# KiCad board AMC_FMC_Carrier-PcbDoc.kicad_pcb (continued)
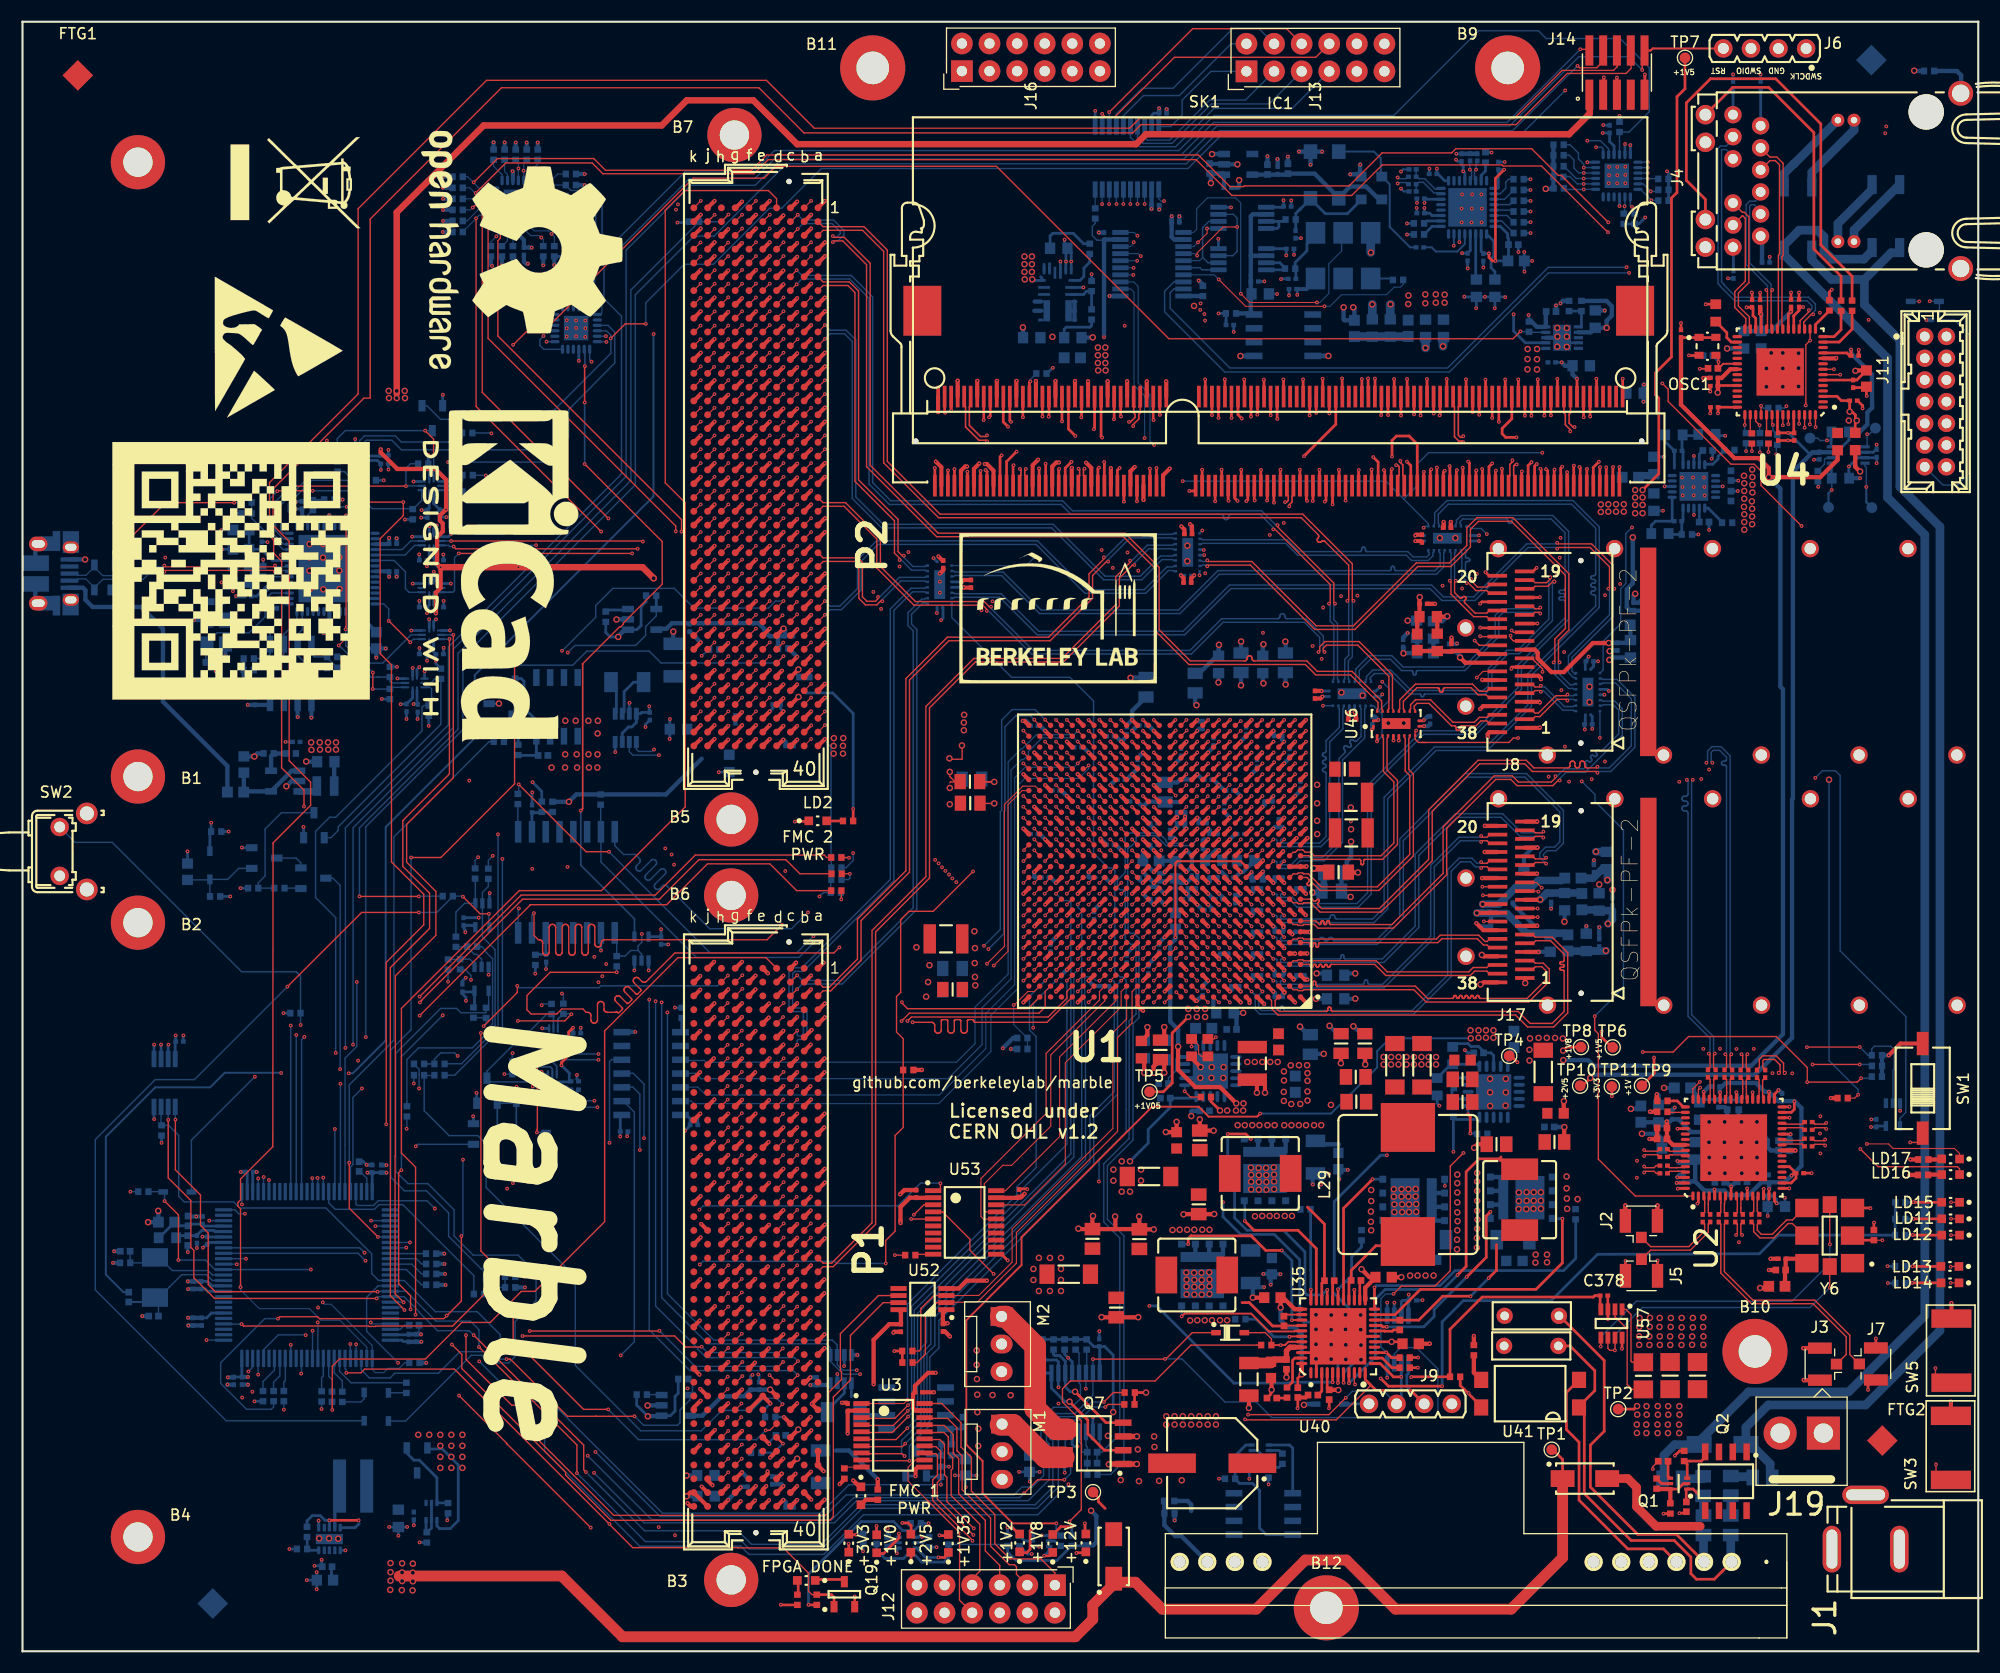
[diagram p0: board, top side]
## Routing (per net, layer and track width the routed paths; a pad name or vN(x,y) marks a point on that pad's centre or on a via; arc(x,y) is an arc through that point) (continued)
/SDRAM/DDR3_BA0: length 39.1
  Top w0.254: v1(118.74,105.88) 118.77,105.91 SK1.109 ; U1.AF10 v1(109.12,85.73)
  In4.Cu w0.135: v1(109.12,85.73) 109.12,90.95 110.63,92.46 110.63,93.42 112.54,95.34 112.54,97.31 119.3,104.07 119.3,108.18 120.22,109.09 120.22,110.95 119.64,111.52 119.09,111.52 118.74,111.18 v1(118.74,105.88)
/SDRAM/DDR3_BA1: length 39.1
  Top w0.254: U1.AD8 v1(111.12,83.73) ; SK1.108 118.47,113.77 v1(118.46,113.77)
  In2.Cu w0.135: v1(111.12,83.73) 110.79,84.06 110.79,88.09 111.5,88.8 111.5,94.97 119.09,102.56 119.09,106.06 118.93,106.22 118.93,109.8 118.93,109.87 118.9,109.93 118.87,109.99 118.82,110.04 118.76,110.07 118.7,110.1 118.63,110.1 118.56,110.1 118.5,110.11 118.43,110.13 118.37,110.17 118.33,110.22 118.29,110.27 118.27,110.34 118.26,110.4 118.27,110.47 118.29,110.53 118.33,110.59 118.37,110.64 118.43,110.67 118.5,110.7 118.56,110.7 118.63,110.7 118.7,110.71 118.76,110.73 118.82,110.77 118.87,110.82 118.9,110.87 118.93,110.94 118.93,111 118.93,111.07 118.9,111.13 118.87,111.19 118.82,111.24 118.76,111.27 118.7,111.3 118.63,111.3 118.36,111.3 118.3,111.31 118.23,111.33 118.17,111.37 118.13,111.42 118.09,111.47 118.07,111.54 118.06,111.6 118.07,111.67 118.09,111.73 118.13,111.79 118.17,111.84 118.23,111.87 118.3,111.9 118.36,111.9 118.93,111.9 118.93,111.94 119.14,111.94 119.19,111.95 119.23,111.96 119.27,111.99 119.31,112.02 119.33,112.06 119.35,112.11 119.35,112.15 119.35,112.33 119.35,112.38 119.33,112.42 119.31,112.46 119.27,112.5 119.23,112.52 119.19,112.54 119.1,112.55 119.05,112.56 119.01,112.59 118.98,112.62 118.95,112.66 118.94,112.71 118.93,112.75 118.93,113.3 v1(118.46,113.77)
/SDRAM/DDR3_BA2: length 39
  Top w0.254: U1.AC13 v1(106.12,82.73) ; v1(109.76,105.86) 109.77,105.86 SK1.79
  In4.Cu w0.135: v1(106.12,82.73) 106.12,83.22 105.34,84 105.34,94.76 105.69,95.1 105.71,95.12 105.73,95.13 105.76,95.14 105.79,95.14 105.81,95.13 105.84,95.12 105.88,95.08 105.9,95.07 105.93,95.07 105.96,95.07 105.98,95.07 106.01,95.08 106.03,95.1 106.28,95.35 106.3,95.38 106.31,95.4 106.32,95.43 106.32,95.45 106.31,95.48 106.3,95.5 106.28,95.53 106.2,95.61 106.2,95.61 105.78,96.03 105.74,96.08 105.71,96.14 105.7,96.21 105.7,96.28 105.71,96.34 105.74,96.4 105.78,96.46 105.83,96.5 105.89,96.53 105.96,96.54 106.03,96.54 106.09,96.53 106.15,96.5 106.21,96.46 106.71,95.95 106.73,95.94 106.75,95.92 106.78,95.92 106.81,95.92 106.83,95.92 106.86,95.94 106.88,95.95 107.13,96.21 107.15,96.23 107.16,96.25 107.17,96.28 107.17,96.31 107.16,96.33 107.15,96.36 107.13,96.38 106.59,96.91 106.55,96.97 106.52,97.03 106.51,97.09 106.51,97.16 106.52,97.23 106.55,97.29 106.59,97.34 106.65,97.38 106.71,97.41 106.77,97.43 106.84,97.43 106.91,97.41 106.97,97.38 107.02,97.34 107.56,96.8 107.58,96.78 107.6,96.77 107.63,96.77 107.66,96.77 107.68,96.77 107.71,96.78 107.73,96.8 107.98,97.06 108,97.08 108.01,97.1 108.02,97.13 108.02,97.15 108.01,97.18 108,97.2 107.98,97.23 107.44,97.76 107.4,97.82 107.37,97.88 107.36,97.94 107.36,98.01 107.37,98.07 107.4,98.14 107.44,98.19 107.5,98.23 107.56,98.26 107.62,98.27 107.69,98.27 107.75,98.26 107.82,98.23 107.87,98.19 108.41,97.65 108.43,97.63 108.45,97.62 108.48,97.62 108.5,97.62 108.53,97.62 108.55,97.63 108.58,97.65 108.83,97.9 108.85,97.92 108.86,97.95 108.86,97.98 108.86,98 108.86,98.03 108.85,98.05 108.83,98.07 108.71,98.19 108.7,98.2 108.7,98.21 108.7,98.22 108.7,98.24 108.7,98.25 108.7,98.26 108.71,98.27 109.06,98.62 109.07,98.63 109.08,98.63 109.09,98.63 109.1,98.63 109.11,98.63 109.12,98.63 109.13,98.62 109.25,98.5 109.28,98.48 109.3,98.47 109.33,98.46 109.35,98.46 109.38,98.47 109.4,98.48 109.42,98.5 109.68,98.75 109.7,98.77 109.71,98.8 109.71,98.82 109.71,98.85 109.71,98.88 109.7,98.9 109.66,98.94 109.65,98.97 109.64,98.99 109.64,99.02 109.65,99.05 109.66,99.07 109.68,99.09 110.5,99.91 110.5,107.75 110.36,107.89 109.95,107.89 109.76,107.7 v1(109.76,105.86)
/SDRAM/DDR3_DM0: length 47.7
  Top w0.254: SK1.11 86.97,108.57 v1(86.97,108.58) ; U1.AF17 v1(101.12,85.73)
  In7.Cu w0.135: v1(101.12,85.73) 101.12,91.07 101.12,91.1 101.13,91.12 101.15,91.15 101.17,91.17 101.19,91.18 101.22,91.19 101.27,91.2 101.3,91.21 101.32,91.22 101.34,91.24 101.36,91.26 101.37,91.29 101.37,91.32 101.37,91.67 101.37,91.7 101.36,91.72 101.34,91.75 101.32,91.77 101.3,91.78 101.27,91.79 101.25,91.79 101,91.79 100.97,91.8 100.94,91.81 100.92,91.82 100.9,91.84 100.88,91.86 100.87,91.89 100.87,91.92 100.87,92.27 100.87,92.3 100.88,92.32 100.9,92.35 100.92,92.37 100.94,92.38 100.97,92.39 101,92.39 101.25,92.39 101.27,92.4 101.3,92.41 101.32,92.42 101.34,92.44 101.36,92.46 101.37,92.49 101.37,92.52 101.37,92.87 101.37,92.9 101.36,92.92 101.34,92.95 101.32,92.97 101.3,92.98 101.27,92.99 101.25,92.99 100.94,92.99 100.91,93 100.87,93.01 100.84,93.03 100.81,93.06 100.79,93.09 100.77,93.13 100.77,93.17 100.77,93.42 100.77,93.46 100.79,93.5 100.81,93.53 100.84,93.56 100.87,93.58 100.91,93.59 100.94,93.59 101.25,93.59 101.27,93.6 101.3,93.61 101.32,93.62 101.34,93.64 101.36,93.66 101.37,93.69 101.37,93.72 101.37,94.07 101.37,94.1 101.36,94.12 101.34,94.15 101.32,94.17 101.3,94.18 101.27,94.19 101.25,94.19 100.94,94.19 100.91,94.2 100.87,94.21 100.84,94.23 100.81,94.26 100.79,94.29 100.77,94.33 100.77,94.37 100.77,94.62 100.77,94.66 100.79,94.7 100.81,94.73 100.84,94.76 100.87,94.78 100.91,94.79 100.98,94.8 101.02,94.81 101.05,94.83 101.08,94.86 101.1,94.89 101.12,94.93 101.12,94.97 101.12,95.02 100.61,95.53 100.58,95.56 100.57,95.6 100.56,95.64 100.56,95.68 100.57,95.71 100.58,95.75 100.63,95.81 100.65,95.85 100.66,95.88 100.66,95.92 100.65,95.96 100.63,96 100.61,96.03 100.43,96.2 100.4,96.23 100.36,96.25 100.33,96.25 100.29,96.25 100.25,96.25 100.21,96.23 100.18,96.2 99.94,95.96 99.9,95.93 99.87,95.91 99.83,95.91 99.79,95.91 99.75,95.91 99.72,95.93 99.69,95.96 99.51,96.13 99.49,96.16 99.47,96.2 99.46,96.24 99.46,96.28 99.47,96.31 99.49,96.35 99.51,96.38 99.76,96.63 99.78,96.66 99.8,96.69 99.81,96.73 99.81,96.77 99.8,96.81 99.78,96.84 99.76,96.88 99.58,97.05 99.55,97.08 99.52,97.09 99.48,97.1 99.44,97.1 99.4,97.09 99.37,97.08 99.33,97.05 99.09,96.8 99.06,96.78 99.02,96.76 98.98,96.75 98.94,96.75 98.91,96.76 98.87,96.78 98.84,96.8 98.66,96.98 98.64,97.01 98.62,97.05 98.61,97.09 98.61,97.12 98.62,97.16 98.64,97.2 98.66,97.23 98.91,97.48 98.93,97.51 98.95,97.54 98.96,97.58 98.96,97.62 98.95,97.66 98.93,97.69 98.91,97.72 98.73,97.9 98.7,97.93 98.67,97.94 98.63,97.95 98.59,97.95 98.55,97.94 98.52,97.93 98.49,97.9 98.24,97.65 98.21,97.63 98.17,97.61 98.13,97.6 98.1,97.6 98.06,97.61 98.02,97.63 97.99,97.65 97.81,97.83 97.79,97.86 97.77,97.9 97.76,97.93 97.76,97.97 97.77,98.01 97.79,98.05 97.81,98.08 98.06,98.32 98.09,98.36 98.1,98.39 98.11,98.43 98.11,98.47 98.1,98.51 98.09,98.54 98.06,98.57 97.88,98.75 97.85,98.77 97.82,98.79 97.78,98.8 97.74,98.8 97.7,98.79 97.67,98.77 97.64,98.75 97.39,98.5 97.36,98.48 97.32,98.46 97.29,98.45 97.25,98.45 97.21,98.46 97.17,98.48 97.14,98.5 96.97,98.68 96.94,98.71 96.92,98.74 96.92,98.78 96.92,98.82 96.92,98.86 96.94,98.9 96.97,98.93 97.21,99.17 97.24,99.2 97.25,99.24 97.26,99.28 97.26,99.32 97.25,99.35 97.24,99.39 97.21,99.42 97.04,99.6 97.01,99.62 96.97,99.64 96.93,99.65 96.89,99.65 96.85,99.64 96.82,99.62 96.79,99.6 96.54,99.35 96.51,99.33 96.48,99.31 96.44,99.3 96.4,99.3 96.36,99.31 96.32,99.33 96.29,99.35 96.12,99.53 96.09,99.56 96.08,99.59 96.07,99.63 96.07,99.67 96.08,99.71 96.09,99.74 96.12,99.77 96.36,100.02 96.39,100.05 96.41,100.09 96.41,100.13 96.41,100.17 96.41,100.2 96.39,100.24 96.36,100.27 96.19,100.45 96.16,100.47 96.12,100.49 96.08,100.5 96.04,100.5 96.01,100.49 95.97,100.47 95.94,100.45 95.69,100.2 95.66,100.17 95.63,100.16 95.59,100.15 95.55,100.15 95.51,100.16 95.48,100.17 95.45,100.2 95.27,100.38 95.24,100.41 95.23,100.44 95.22,100.48 95.22,100.52 95.23,100.56 95.24,100.59 95.27,100.62 95.52,100.87 95.54,100.9 95.56,100.94 95.57,100.97 95.57,101.01 95.56,101.05 95.54,101.09 95.52,101.12 95.34,101.29 95.31,101.32 95.27,101.34 95.24,101.34 95.2,101.34 95.16,101.34 95.12,101.32 95.09,101.29 94.84,101.05 94.81,101.02 94.78,101.01 94.74,101 94.7,101 94.66,101.01 94.63,101.02 94.6,101.05 94.42,101.22 94.4,101.25 94.38,101.29 94.37,101.33 94.37,101.37 94.38,101.41 94.4,101.44 94.42,101.47 94.67,101.72 94.69,101.75 94.71,101.78 94.72,101.82 94.72,101.86 94.71,101.9 94.69,101.94 94.67,101.97 94.49,102.14 94.46,102.17 94.42,102.18 94.39,102.19 94.35,102.19 94.31,102.18 94.27,102.17 94.24,102.14 94,101.9 93.97,101.87 93.93,101.85 93.89,101.85 93.85,101.85 93.81,101.85 93.78,101.87 93.75,101.9 93.57,102.07 93.55,102.1 93.53,102.14 93.52,102.18 93.52,102.22 93.53,102.25 93.55,102.29 93.57,102.32 93.82,102.57 93.84,102.6 93.86,102.63 93.87,102.67 93.87,102.71 93.86,102.75 93.84,102.78 93.82,102.82 93.64,102.99 93.61,103.02 93.58,103.03 93.54,103.04 93.5,103.04 93.46,103.03 93.43,103.02 93.39,102.99 93.15,102.74 93.12,102.72 93.08,102.7 93.04,102.69 93,102.69 92.97,102.7 92.93,102.72 92.9,102.74 92.72,102.92 92.7,102.95 92.68,102.99 92.67,103.03 92.67,103.06 92.68,103.1 92.7,103.14 92.72,103.17 92.97,103.42 93,103.45 93.01,103.48 93.02,103.52 93.02,103.56 93.01,103.6 93,103.63 92.97,103.66 92.79,103.84 92.76,103.86 92.73,103.88 92.69,103.89 92.65,103.89 92.61,103.88 92.58,103.86 92.55,103.84 92.3,103.59 92.27,103.57 92.23,103.55 92.19,103.54 92.16,103.54 92.12,103.55 92.08,103.57 92.05,103.59 91.87,103.77 91.85,103.8 91.83,103.84 91.82,103.87 91.82,103.91 91.83,103.95 91.85,103.99 91.87,104.02 92.12,104.26 92.15,104.3 92.16,104.33 92.17,104.37 92.17,104.41 92.16,104.45 92.15,104.48 92.12,104.51 91.95,104.69 91.91,104.71 91.88,104.73 91.84,104.74 91.8,104.74 91.76,104.73 91.73,104.71 91.7,104.69 91.45,104.44 91.42,104.42 91.38,104.4 91.35,104.39 91.31,104.39 91.27,104.4 91.23,104.42 91.2,104.44 91.03,104.62 91,104.65 90.98,104.68 90.98,104.72 90.98,104.76 90.98,104.8 91,104.83 91.03,104.87 91.27,105.11 91.3,105.14 91.31,105.18 91.32,105.22 91.32,105.26 91.31,105.29 91.3,105.33 91.27,105.36 91.1,105.54 91.07,105.56 91.03,105.58 90.99,105.59 90.95,105.59 90.92,105.58 90.88,105.56 90.85,105.54 90.6,105.29 90.57,105.27 90.54,105.25 90.5,105.24 90.46,105.24 90.42,105.25 90.38,105.27 90.35,105.29 90.18,105.47 90.15,105.5 90.14,105.53 90.13,105.57 90.13,105.61 90.14,105.65 90.15,105.68 90.18,105.71 90.43,105.96 90.45,105.99 90.47,106.03 90.48,106.07 90.48,106.1 90.47,106.14 90.45,106.18 90.43,106.21 90.25,106.39 90.22,106.41 90.18,106.43 90.14,106.44 90.1,106.44 90.07,106.43 90.03,106.41 90,106.39 89.75,106.14 89.72,106.11 89.69,106.1 89.65,106.09 89.61,106.09 89.57,106.1 89.54,106.11 89.51,106.14 89.33,106.32 89.3,106.35 89.29,106.38 89.28,106.42 89.28,106.46 89.29,106.5 89.3,106.53 89.35,106.59 89.37,106.63 89.38,106.67 89.38,106.71 89.37,106.74 89.35,106.78 89.33,106.81 87.56,108.58 v1(86.97,108.58)
/SDRAM/DDR3_DM1: length 44.3
  Top w0.254: SK1.28 92.07,113.6 v1(92.07,113.59) ; U1.W15 v1(103.12,78.73)
  In9.Cu w0.135: v1(92.07,113.59) 93.27,113.59 96.19,110.67 96.19,107.06 96.19,106.99 96.22,106.93 96.25,106.87 96.3,106.82 96.36,106.79 96.42,106.77 96.49,106.76 96.74,106.76 96.81,106.75 96.87,106.73 96.93,106.69 96.98,106.64 97.01,106.59 97.04,106.52 97.04,106.46 97.04,106.39 97.01,106.33 96.98,106.27 96.93,106.22 96.87,106.19 96.81,106.17 96.74,106.16 96.49,106.16 96.42,106.15 96.36,106.13 96.3,106.09 96.25,106.04 96.22,105.99 96.19,105.92 96.19,105.86 96.19,100.03 103.17,93.04 103.17,86.53 102.78,86.13 102.78,79.07 v1(103.12,78.73)
/SDRAM/DDR3_DM2: length 38.5
  Top w0.254: U1.AC19 v1(99.12,82.73) ; SK1.46 97.47,113.59 97.45,113.59 v1(97.44,113.59)
  In2.Cu w0.135: v1(99.12,82.73) 99.46,83.07 99.46,93.33 95.12,97.68 95.12,107.05 96.16,108.09 96.16,110.4 96.17,110.46 96.19,110.52 96.22,110.57 96.26,110.62 96.32,110.65 96.38,110.67 96.44,110.68 97.04,110.68 97.1,110.68 97.16,110.7 97.21,110.74 97.25,110.78 97.28,110.83 97.3,110.89 97.31,110.95 97.3,111.01 97.28,111.07 97.25,111.12 97.21,111.17 97.16,111.2 97.1,111.22 97.04,111.23 96.11,111.23 96.1,111.23 96.09,111.23 96.08,111.24 96.07,111.25 96.07,111.26 96.06,111.27 96.06,111.28 96.06,111.73 96.06,111.74 96.07,111.75 96.07,111.76 96.08,111.77 96.09,111.77 96.1,111.78 96.12,111.78 96.13,111.78 96.14,111.79 96.15,111.8 96.16,111.81 96.16,111.82 96.16,111.83 96.16,112.3 97.27,113.4 97.27,113.42 v1(97.44,113.59)
/SDRAM/DDR3_DM3: length 39
  Top w0.254: U1.AA15 v1(103.12,80.73) ; v1(102.58,105.86) 102.57,105.86 SK1.63
  In2.Cu w0.135: v1(102.58,105.86) 102.58,105.74 103.2,105.12 103.2,104.77 103.19,104.7 103.17,104.64 103.13,104.58 103.08,104.53 103.03,104.5 102.96,104.47 102.9,104.47 102.55,104.47 102.48,104.46 102.42,104.44 102.36,104.4 102.31,104.35 102.28,104.3 102.25,104.23 102.25,104.17 102.25,104.1 102.28,104.04 102.31,103.98 102.36,103.93 102.42,103.9 102.48,103.87 102.55,103.87 103.35,103.87 103.38,103.86 103.41,103.85 103.44,103.83 103.46,103.81 103.48,103.78 103.49,103.75 103.5,103.72 103.5,103.42 103.49,103.38 103.48,103.35 103.46,103.32 103.44,103.3 103.41,103.28 103.38,103.27 103.35,103.27 102.55,103.27 102.48,103.26 102.42,103.24 102.36,103.2 102.31,103.15 102.28,103.1 102.25,103.03 102.25,102.97 102.25,102.9 102.28,102.84 102.31,102.78 102.36,102.73 102.42,102.7 102.48,102.67 102.55,102.67 103.35,102.67 103.38,102.66 103.41,102.65 103.44,102.63 103.46,102.61 103.48,102.58 103.49,102.55 103.5,102.52 103.5,102.22 103.49,102.18 103.48,102.15 103.46,102.12 103.44,102.1 103.41,102.08 103.38,102.07 103.35,102.07 102.55,102.07 102.48,102.06 102.42,102.04 102.36,102 102.31,101.95 102.28,101.9 102.25,101.83 102.25,101.77 102.25,101.7 102.28,101.64 102.31,101.58 102.36,101.53 102.42,101.5 102.48,101.47 102.55,101.47 103.35,101.47 103.38,101.46 103.41,101.45 103.44,101.43 103.46,101.41 103.48,101.38 103.49,101.35 103.5,101.32 103.5,101.02 103.49,100.98 103.48,100.95 103.46,100.92 103.44,100.9 103.41,100.88 103.38,100.87 103.31,100.86 103.28,100.85 103.25,100.83 103.23,100.81 103.21,100.78 103.2,100.75 103.2,100.72 103.2,97.51 103.49,97.22 103.48,97.17 103.46,97.11 103.44,97.07 103.4,97.03 103.35,97 103.3,96.98 103.19,96.97 103.13,96.95 103.09,96.92 103.05,96.88 103.02,96.83 103,96.78 102.99,96.72 102.99,96.62 103,96.57 103.02,96.51 103.05,96.47 103.09,96.43 103.13,96.4 103.19,96.38 103.3,96.37 103.35,96.35 103.4,96.32 103.44,96.28 103.46,96.23 103.48,96.18 103.49,96.12 103.49,96.02 103.48,95.97 103.46,95.91 103.44,95.87 103.4,95.83 103.35,95.8 103.3,95.78 103.19,95.77 103.13,95.75 103.09,95.72 103.05,95.68 103.02,95.63 103,95.58 102.99,95.52 102.99,95.42 103,95.37 103.02,95.31 103.05,95.27 103.09,95.23 103.13,95.2 103.19,95.18 103.3,95.17 103.35,95.15 103.4,95.12 103.44,95.08 103.46,95.03 103.48,94.98 103.49,94.92 103.49,94.82 103.48,94.77 103.46,94.71 103.44,94.67 103.4,94.63 103.35,94.6 103.3,94.58 103.19,94.57 103.13,94.55 103.09,94.52 103.05,94.48 103.02,94.43 103,94.38 102.99,94.32 102.99,94.22 103,94.17 103.02,94.11 103.05,94.07 103.09,94.03 103.13,94 103.19,93.98 103.3,93.97 103.35,93.95 103.4,93.92 103.44,93.88 103.46,93.83 103.48,93.78 103.49,93.72 103.49,93.62 103.48,93.57 103.46,93.51 103.44,93.47 103.4,93.43 103.35,93.4 103.3,93.38 103.19,93.37 103.13,93.35 103.09,93.32 103.05,93.28 103.02,93.23 103,93.18 102.99,93.12 102.99,93.02 103,92.97 103.02,92.91 103.05,92.87 103.09,92.83 103.13,92.8 103.19,92.78 103.3,92.77 103.35,92.75 103.4,92.72 103.44,92.68 103.46,92.63 103.48,92.58 103.49,92.52 103.49,92.42 103.48,92.37 103.46,92.31 103.44,92.27 103.4,92.23 103.35,92.2 103.3,92.18 103.19,92.17 103.13,92.15 103.09,92.12 103.05,92.08 103.02,92.03 103,91.98 102.99,91.92 102.99,91.82 103,91.77 103.02,91.71 103.05,91.67 103.09,91.63 103.13,91.6 103.19,91.58 103.3,91.57 103.35,91.55 103.4,91.52 103.44,91.48 103.46,91.43 103.48,91.38 103.49,91.32 103.49,91.22 103.48,91.17 103.46,91.11 103.44,91.07 103.4,91.03 103.35,91 103.3,90.98 103.19,90.97 103.13,90.95 103.09,90.92 103.05,90.88 103.02,90.83 103,90.78 102.99,90.72 102.99,90.62 103,90.57 103.02,90.51 103.05,90.47 103.09,90.43 103.13,90.4 103.19,90.38 103.3,90.37 103.35,90.35 103.4,90.32 103.44,90.28 103.46,90.23 103.48,90.18 103.49,90.12 103.49,90.02 103.48,89.97 103.46,89.91 103.44,89.87 103.4,89.83 103.35,89.8 103.3,89.78 103.19,89.77 103.13,89.75 103.09,89.72 103.05,89.68 103.02,89.63 103,89.58 102.99,89.52 102.99,89.42 103,89.37 103.02,89.31 103.05,89.27 103.09,89.23 103.13,89.2 103.19,89.18 103.3,89.17 103.35,89.15 103.4,89.12 103.44,89.08 103.46,89.03 103.48,88.98 103.49,88.92 103.49,88.82 103.48,88.77 103.46,88.71 103.44,88.67 103.4,88.63 103.35,88.6 103.3,88.58 103.19,88.57 103.13,88.55 103.09,88.52 103.05,88.48 103.02,88.43 103,88.38 102.99,88.32 102.99,88.22 103,88.17 103.02,88.11 103.05,88.07 103.09,88.03 103.13,88 103.19,87.98 103.3,87.97 103.35,87.95 103.4,87.92 103.44,87.88 103.46,87.83 103.48,87.78 103.49,87.72 103.49,87.62 103.48,87.57 103.46,87.51 103.44,87.47 103.4,87.43 103.35,87.4 103.3,87.38 103.19,87.37 103.13,87.35 103.09,87.32 103.05,87.28 103.02,87.23 103,87.18 102.99,87.12 102.99,87.02 103,86.97 103.02,86.91 103.05,86.87 103.09,86.83 103.13,86.8 103.19,86.78 103.3,86.77 103.35,86.75 103.4,86.72 103.44,86.68 103.46,86.63 103.48,86.58 103.49,86.52 103.49,81.1 v1(103.12,80.73)
/SDRAM/DDR3_DM4: length 44.4
  Top w0.254: U1.AC3 v1(116.12,82.73) ; SK1.136 126.87,113.76 v1(126.87,113.76)
  In4.Cu w0.135: v1(126.87,113.76) 126.87,115.67 127.16,115.97 127.42,115.97 127.71,115.67 127.71,115.07 127.71,115.01 127.73,114.96 127.76,114.92 127.8,114.88 127.84,114.85 127.89,114.83 128,114.82 128.05,114.8 128.1,114.77 128.14,114.74 128.16,114.69 128.18,114.64 128.19,114.59 128.19,114.47 128.18,114.41 128.16,114.36 128.14,114.32 128.1,114.28 128.05,114.25 128,114.23 127.89,114.22 127.84,114.2 127.8,114.17 127.76,114.14 127.73,114.09 127.71,114.04 127.71,113.99 127.71,112.92 128.54,112.09 128.54,106.09 119.16,96.71 119.16,94.81 118.2,93.84 118.2,87.3 116.47,85.58 116.47,83.08 v1(116.12,82.73)
/SDRAM/DDR3_DM5: length 39.6
  Top w0.2: 115.12,83.73 v1(115.15,83.73)
  Top w0.254: U1.AD4 115.12,83.73 ; v1(132.01,108.73) 131.97,108.68 SK1.153
  In7.Cu w0.135: v1(115.15,83.73) 115.8,84.38 118.54,84.38 120.62,86.46 120.62,89.65 124.7,93.73 124.7,101.41 129.59,106.3 129.63,106.35 129.66,106.41 129.67,106.48 129.67,106.55 129.66,106.61 129.63,106.67 129.59,106.72 129.44,106.87 129.4,106.93 129.37,106.99 129.35,107.05 129.35,107.12 129.37,107.18 129.4,107.25 129.44,107.3 129.49,107.34 129.55,107.37 129.62,107.38 129.68,107.38 129.75,107.37 129.81,107.34 129.86,107.3 130.58,106.58 130.64,106.53 130.7,106.5 130.76,106.49 130.83,106.49 130.89,106.5 130.96,106.53 131.01,106.58 131.05,106.63 131.08,106.69 131.09,106.75 131.09,106.82 131.08,106.89 131.05,106.95 131.01,107 130.29,107.72 130.24,107.77 130.22,107.84 130.2,107.9 130.2,107.97 130.22,108.03 130.24,108.09 130.29,108.15 130.34,108.19 130.4,108.22 130.46,108.23 130.53,108.23 130.6,108.22 130.66,108.19 130.71,108.15 130.86,108 130.91,107.96 130.97,107.93 131.04,107.91 131.1,107.91 131.17,107.93 131.23,107.96 131.28,108 v1(132.01,108.73)
/SDRAM/DDR3_DM6: length 48.5
  Top w0.254: SK1.170 137.07,113.45 136.18,112.56 136.18,112.07 136.51,111.74 v1(137.5,111.74) ; U1.W1 v1(118.12,78.73)
  In7.Cu w0.135: v1(137.5,111.74) 137.86,111.38 137.86,109.08 137.5,108.72 137.5,106.72 133.89,103.12 133.87,103.12 133.69,102.94 133.69,102.91 129.66,98.88 129.66,92.12 126.65,89.12 126.65,85.24 120.14,78.73 v1(118.12,78.73)
/SDRAM/DDR3_DM7: length 57.3
  Top w0.254: U1.U7 v1(112.12,76.73) ; v1(142.16,108.54) 142.16,107.3 SK1.187
  In4.Cu w0.135: v1(142.16,108.54) 142.16,106.26 142.11,106.23 142.06,106.2 142,106.19 141.94,106.19 141.88,106.2 141.82,106.23 141.73,106.3 141.67,106.33 141.61,106.34 141.55,106.34 141.49,106.33 141.43,106.3 141.39,106.26 141.35,106.23 141.31,106.18 141.28,106.12 141.27,106.06 141.27,106 141.28,105.94 141.31,105.89 141.35,105.84 141.54,105.65 141.54,105.65 141.67,105.52 141.69,105.49 141.71,105.46 141.71,105.42 141.71,105.38 141.71,105.34 141.69,105.31 141.67,105.28 141.49,105.1 141.46,105.07 141.42,105.06 141.38,105.05 141.34,105.05 141.31,105.06 141.27,105.07 141.24,105.1 140.96,105.38 140.92,105.41 140.88,105.43 140.83,105.44 140.78,105.44 140.73,105.43 140.68,105.41 140.64,105.38 140.54,105.27 140.5,105.23 140.48,105.19 140.47,105.14 140.47,105.09 140.48,105.04 140.5,104.99 140.54,104.95 140.82,104.67 140.84,104.64 140.86,104.61 140.87,104.57 140.87,104.53 140.86,104.49 140.84,104.46 140.82,104.43 140.64,104.25 140.61,104.23 140.57,104.21 140.53,104.2 140.5,104.2 140.46,104.21 140.42,104.23 140.39,104.25 140.11,104.53 140.07,104.56 140.03,104.58 139.98,104.59 139.93,104.59 139.88,104.58 139.83,104.56 139.79,104.53 139.69,104.42 139.66,104.38 139.63,104.34 139.62,104.29 139.62,104.24 139.63,104.19 139.66,104.15 139.69,104.11 139.97,103.83 139.99,103.8 140.01,103.76 140.02,103.72 140.02,103.68 140.01,103.65 139.99,103.61 139.97,103.58 139.79,103.4 139.76,103.38 139.72,103.36 139.69,103.35 139.65,103.35 139.61,103.36 139.57,103.38 139.54,103.4 139.26,103.68 139.22,103.71 139.18,103.74 139.13,103.75 139.08,103.75 139.03,103.74 138.99,103.71 138.95,103.68 138.84,103.57 138.81,103.54 138.79,103.49 138.77,103.44 138.77,103.39 138.79,103.34 138.81,103.3 138.87,103.22 138.89,103.17 138.9,103.12 138.9,103.07 138.89,103.03 138.87,102.98 138.84,102.94 137.92,102.02 137.92,99.52 134.33,95.93 131.01,95.93 130.07,94.99 130.07,87.47 127.91,85.31 127.91,84.48 123.12,79.7 122.78,79.7 121.36,78.32 120.24,78.32 119.3,77.39 113.95,77.39 113.85,77.49 113.37,77.49 112.95,77.07 112.46,77.07 v1(112.12,76.73)
/SDRAM/DDR3_DQ0: length 47.8
  Top w0.254: v1(85.18,108.7) 85.17,108.69 SK1.5 ; U1.AF20 v1(98.12,85.73)
  In7.Cu w0.135: v1(85.18,108.7) 85.18,108.14 91.91,101.41 91.91,99.42 93.99,97.34 94.03,97.3 94.08,97.28 94.13,97.27 94.19,97.27 94.24,97.28 94.29,97.3 94.37,97.37 94.42,97.4 94.47,97.41 94.53,97.41 94.58,97.4 94.63,97.37 94.67,97.34 94.75,97.26 94.79,97.21 94.81,97.16 94.82,97.11 94.82,97.06 94.81,97.01 94.79,96.96 94.75,96.91 94.24,96.4 94.2,96.35 94.17,96.29 94.16,96.22 94.16,96.16 94.17,96.09 94.2,96.03 94.24,95.98 94.29,95.94 94.35,95.91 94.42,95.89 94.49,95.89 94.55,95.91 94.61,95.94 94.67,95.98 95.18,96.49 95.22,96.52 95.27,96.55 95.32,96.56 95.38,96.56 95.43,96.55 95.48,96.52 95.52,96.49 95.6,96.41 95.64,96.36 95.66,96.32 95.67,96.26 95.67,96.21 95.66,96.16 95.64,96.11 95.6,96.07 94.98,95.45 94.94,95.39 94.91,95.33 94.9,95.27 94.9,95.2 94.91,95.14 94.94,95.08 94.98,95.02 95.04,94.98 95.1,94.95 95.16,94.94 95.23,94.94 95.29,94.95 95.36,94.98 95.41,95.02 95.86,95.47 95.86,95.46 96.03,95.64 96.07,95.67 96.12,95.69 96.18,95.7 96.23,95.7 96.28,95.69 96.33,95.67 96.37,95.64 96.46,95.55 96.49,95.51 96.51,95.46 96.53,95.41 96.53,95.35 96.51,95.3 96.49,95.25 96.42,95.17 96.4,95.12 96.39,95.07 96.39,95.01 96.4,94.96 96.42,94.91 96.46,94.87 96.49,94.83 96.49,94.1 96.48,94.03 96.46,93.97 96.43,93.91 96.38,93.87 96.32,93.83 96.26,93.81 96.19,93.8 95.86,93.8 95.79,93.79 95.73,93.77 95.67,93.74 95.62,93.69 95.59,93.63 95.57,93.57 95.56,93.5 95.57,93.43 95.59,93.37 95.62,93.31 95.67,93.27 95.73,93.23 95.79,93.21 95.86,93.2 97.12,93.2 97.19,93.19 97.25,93.17 97.31,93.14 97.36,93.09 97.4,93.03 97.42,92.97 97.42,92.9 97.42,92.83 97.4,92.77 97.36,92.71 97.31,92.67 97.25,92.63 97.19,92.61 97.12,92.6 95.86,92.6 95.79,92.59 95.73,92.57 95.67,92.54 95.62,92.49 95.59,92.43 95.57,92.37 95.56,92.3 95.57,92.23 95.59,92.17 95.62,92.11 95.67,92.07 95.73,92.03 95.79,92.01 95.86,92 97.12,92 97.19,91.99 97.25,91.97 97.31,91.94 97.36,91.89 97.4,91.83 97.42,91.77 97.42,91.7 97.42,91.63 97.4,91.57 97.36,91.51 97.31,91.47 97.25,91.43 97.19,91.41 97.12,91.4 95.86,91.4 95.79,91.39 95.73,91.37 95.67,91.34 95.62,91.29 95.59,91.23 95.57,91.17 95.56,91.1 95.57,91.03 95.59,90.97 95.62,90.91 95.67,90.87 95.73,90.83 95.79,90.81 95.86,90.8 97.12,90.8 97.19,90.79 97.25,90.77 97.31,90.74 97.36,90.69 97.4,90.63 97.42,90.57 97.42,90.5 97.42,90.43 97.4,90.37 97.36,90.31 97.31,90.27 97.25,90.23 97.19,90.21 97.12,90.2 96.79,90.2 96.73,90.19 96.66,90.17 96.6,90.14 96.56,90.09 96.52,90.03 96.5,89.97 96.49,89.9 96.49,89.6 96.84,89.25 96.89,89.2 96.92,89.14 96.93,89.07 96.93,89 96.92,88.94 96.89,88.88 96.84,88.82 96.61,88.59 96.57,88.54 96.54,88.48 96.52,88.41 96.52,88.34 96.54,88.28 96.57,88.22 96.61,88.16 96.66,88.12 96.72,88.09 96.79,88.08 96.85,88.08 96.92,88.09 96.98,88.12 97.03,88.16 97.93,89.06 97.98,89.1 98.04,89.13 98.11,89.15 98.17,89.15 98.24,89.13 98.3,89.1 98.35,89.06 98.39,89.01 98.42,88.95 98.44,88.88 98.44,88.81 98.42,88.75 98.39,88.69 98.35,88.64 98.12,88.4 98.08,88.35 98.05,88.29 98.03,88.22 98.03,88.15 98.05,88.09 98.08,88.03 98.12,87.98 v1(98.12,85.73)
/SDRAM/DDR3_DQ1: length 47.7
  Top w0.254: U1.AF19 v1(99.12,85.73) ; SK1.7 85.77,108.81 v1(85.77,108.82)
  In7.Cu w0.135: v1(99.12,85.73) 99.12,90.6 99.11,90.66 99.09,90.73 99.05,90.79 99.01,90.83 98.95,90.87 98.89,90.89 98.82,90.9 98.42,90.9 98.35,90.91 98.29,90.93 98.23,90.96 98.19,91.01 98.15,91.07 98.13,91.13 98.12,91.2 98.13,91.26 98.15,91.33 98.19,91.39 98.23,91.43 98.29,91.47 98.35,91.49 98.42,91.5 98.82,91.5 98.89,91.51 98.95,91.53 99.01,91.56 99.05,91.61 99.09,91.67 99.11,91.73 99.12,91.8 99.11,91.86 99.09,91.93 99.05,91.99 99.01,92.03 98.95,92.07 98.89,92.09 98.82,92.1 98.42,92.1 98.35,92.11 98.29,92.13 98.23,92.16 98.19,92.21 98.15,92.27 98.13,92.33 98.12,92.4 98.13,92.46 98.15,92.53 98.19,92.59 98.23,92.63 98.29,92.67 98.35,92.69 98.42,92.7 98.82,92.7 98.89,92.71 98.95,92.73 99.01,92.76 99.05,92.81 99.09,92.87 99.11,92.93 99.12,93 99.12,93.3 98.75,93.67 98.71,93.72 98.68,93.78 98.67,93.84 98.67,93.91 98.68,93.98 98.71,94.04 98.75,94.09 99.04,94.37 99.08,94.43 99.11,94.49 99.12,94.55 99.12,94.62 99.11,94.68 99.08,94.74 99.04,94.8 98.98,94.84 98.92,94.87 98.86,94.88 98.79,94.88 98.72,94.87 98.66,94.84 98.61,94.8 97.62,93.81 97.57,93.77 97.51,93.74 97.44,93.72 97.38,93.72 97.31,93.74 97.25,93.77 97.2,93.81 97.15,93.86 97.13,93.92 97.11,93.99 97.11,94.05 97.13,94.12 97.15,94.18 97.2,94.23 98.19,95.22 98.23,95.27 98.26,95.33 98.27,95.4 98.27,95.47 98.26,95.53 98.23,95.59 98.19,95.65 98.13,95.69 98.07,95.72 98.01,95.73 97.94,95.73 97.88,95.72 97.81,95.69 97.76,95.65 97.21,95.1 97.2,95.09 97.19,95.08 97.17,95.08 97.15,95.08 97.14,95.08 97.12,95.09 97.11,95.1 96.79,95.42 96.78,95.43 96.77,95.44 96.77,95.46 96.77,95.48 96.77,95.49 96.78,95.51 96.79,95.52 97.34,96.07 97.38,96.12 97.41,96.18 97.42,96.25 97.42,96.32 97.41,96.38 97.38,96.44 97.34,96.49 97.29,96.54 97.22,96.57 97.16,96.58 97.09,96.58 97.03,96.57 96.97,96.54 96.91,96.49 96.38,95.96 96.37,95.96 96.36,95.95 96.35,95.95 96.34,95.95 96.33,95.95 96.32,95.96 96.31,95.96 95.96,96.32 95.95,96.33 95.95,96.34 95.94,96.35 95.94,96.36 95.95,96.37 95.95,96.38 95.96,96.39 96.49,96.92 96.53,96.97 96.56,97.03 96.58,97.1 96.58,97.16 96.56,97.23 96.53,97.29 96.49,97.34 96.44,97.38 96.38,97.41 96.31,97.43 96.24,97.43 96.18,97.41 96.12,97.38 96.07,97.34 95.53,96.81 95.53,96.81 95.52,96.8 95.51,96.8 95.49,96.8 95.48,96.8 95.47,96.81 95.46,96.81 95.11,97.17 95.1,97.17 95.1,97.18 95.1,97.2 95.1,97.21 95.1,97.22 95.1,97.23 95.12,97.25 95.12,97.26 95.12,97.27 95.12,97.28 95.12,97.29 95.12,97.3 95.07,97.36 95.04,97.42 95.02,97.49 95.02,97.55 95.04,97.62 95.07,97.68 95.11,97.73 95.39,98.01 95.44,98.07 95.46,98.13 95.48,98.19 95.48,98.26 95.46,98.33 95.44,98.39 95.39,98.44 95.34,98.48 95.28,98.51 95.21,98.52 95.15,98.52 95.08,98.51 95.02,98.48 94.97,98.44 94.3,97.77 94.25,97.73 94.2,97.71 94.15,97.7 94.09,97.7 94.04,97.71 93.99,97.73 93.94,97.77 93.87,97.84 93.84,97.88 93.81,97.93 93.8,97.99 93.8,98.04 93.81,98.1 93.84,98.15 93.87,98.19 94.54,98.86 94.59,98.92 94.62,98.98 94.63,99.04 94.63,99.11 94.62,99.17 94.59,99.23 94.54,99.29 94.49,99.33 94.43,99.36 94.37,99.37 94.3,99.37 94.23,99.36 94.17,99.33 94.12,99.29 93.45,98.62 93.41,98.58 93.35,98.56 93.3,98.54 93.24,98.54 93.19,98.56 93.14,98.58 93.1,98.62 93.02,98.69 92.99,98.73 92.97,98.78 92.95,98.84 92.95,98.89 92.97,98.95 92.99,99 93.06,99.08 93.08,99.13 93.1,99.19 93.1,99.24 93.08,99.3 93.06,99.35 93.02,99.39 92.52,99.9 92.52,101.26 85.82,107.95 85.82,108.77 v1(85.77,108.82)